# Altium PCB PCB1.PcbDoc
Units mil, origin at the board's own origin, x right, y up, seen from the top; angles counter-clockwise.
Board outline 6000 x 4000 mil, 4 copper layers (Component Side, Ground Plane, Power Plane, Solder Side), stack 25.634 mil thick; 112 components, 130 nets, 462 pads, 16 vias.
Unrouted connection lines stored in the file: 275.
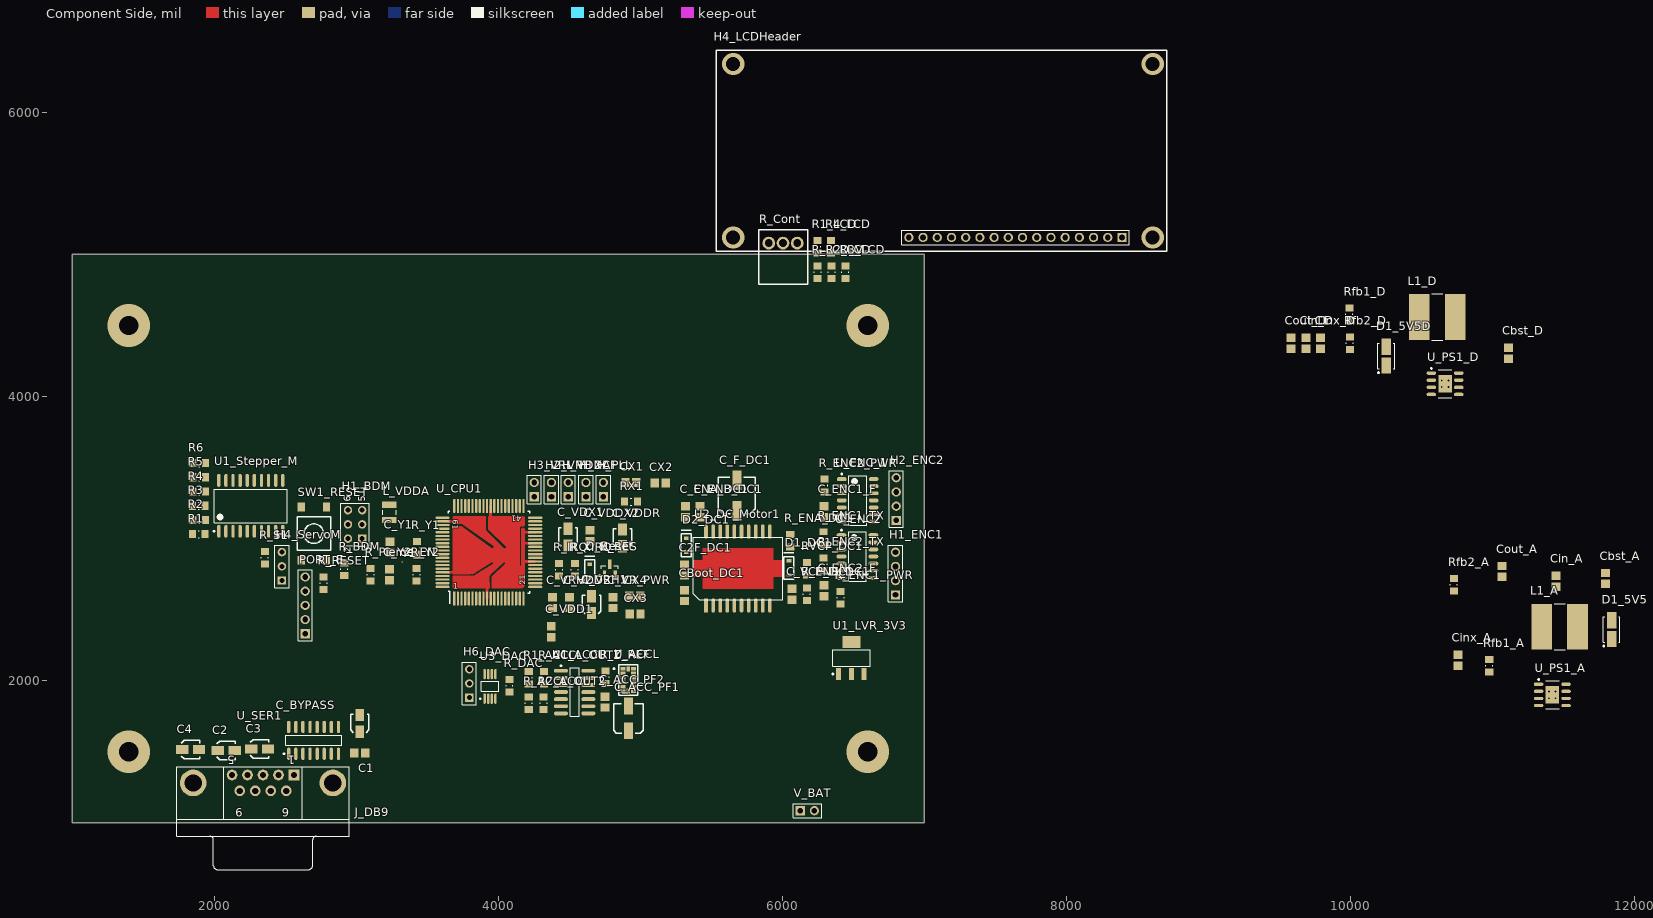
[diagram p0: Component Side view]
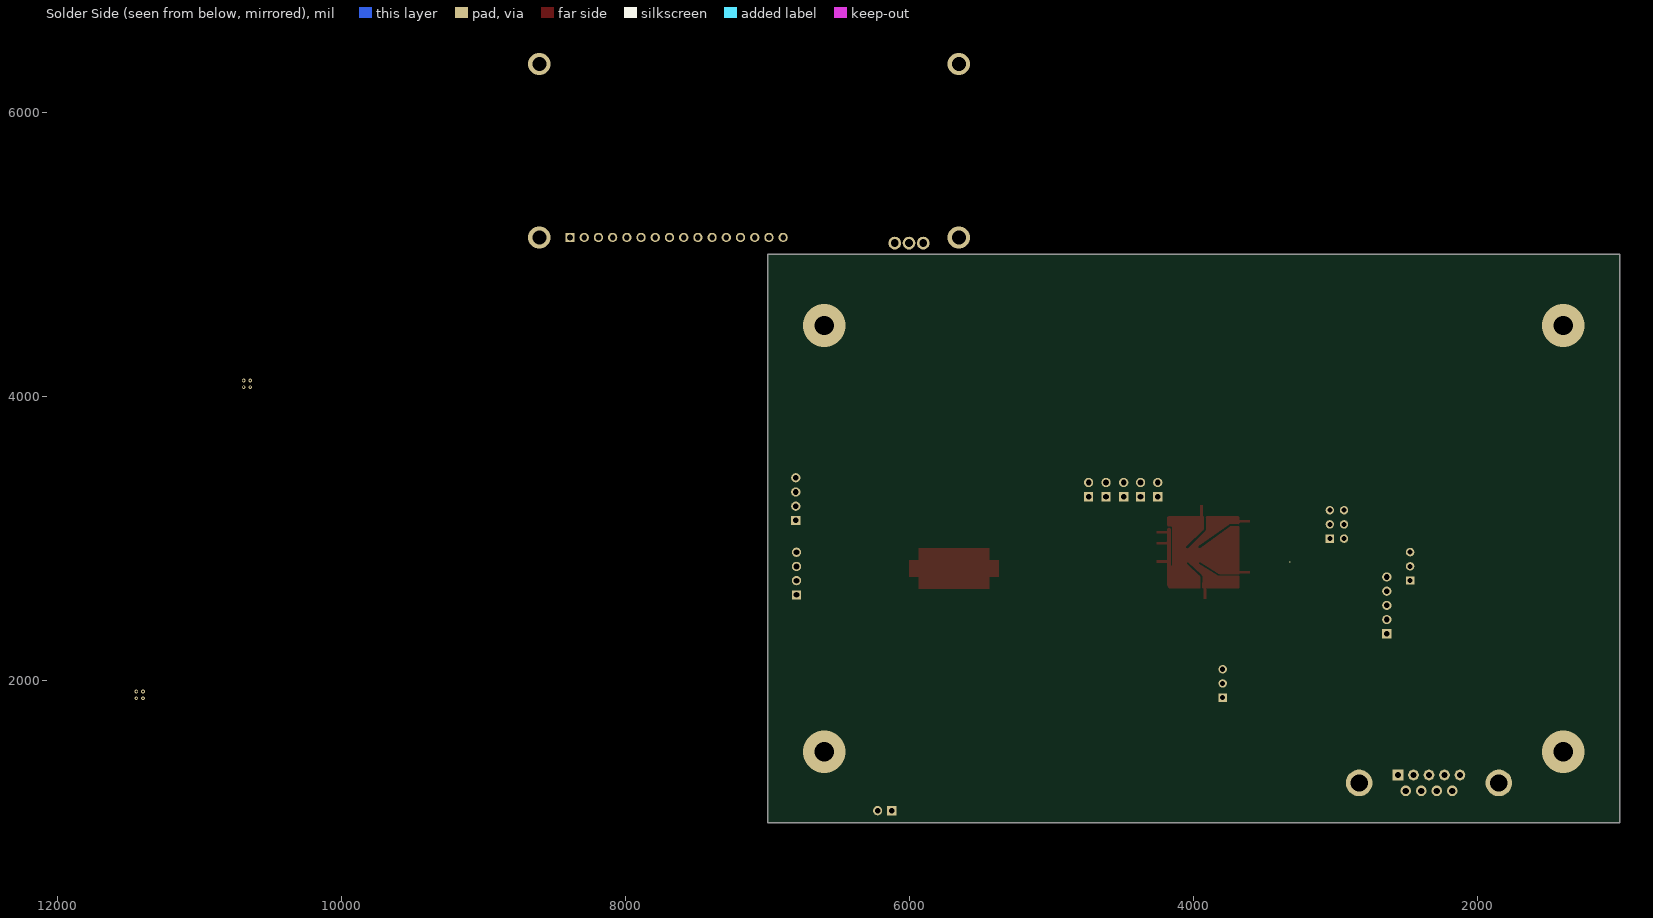
[diagram p1: Solder Side view, seen from below]
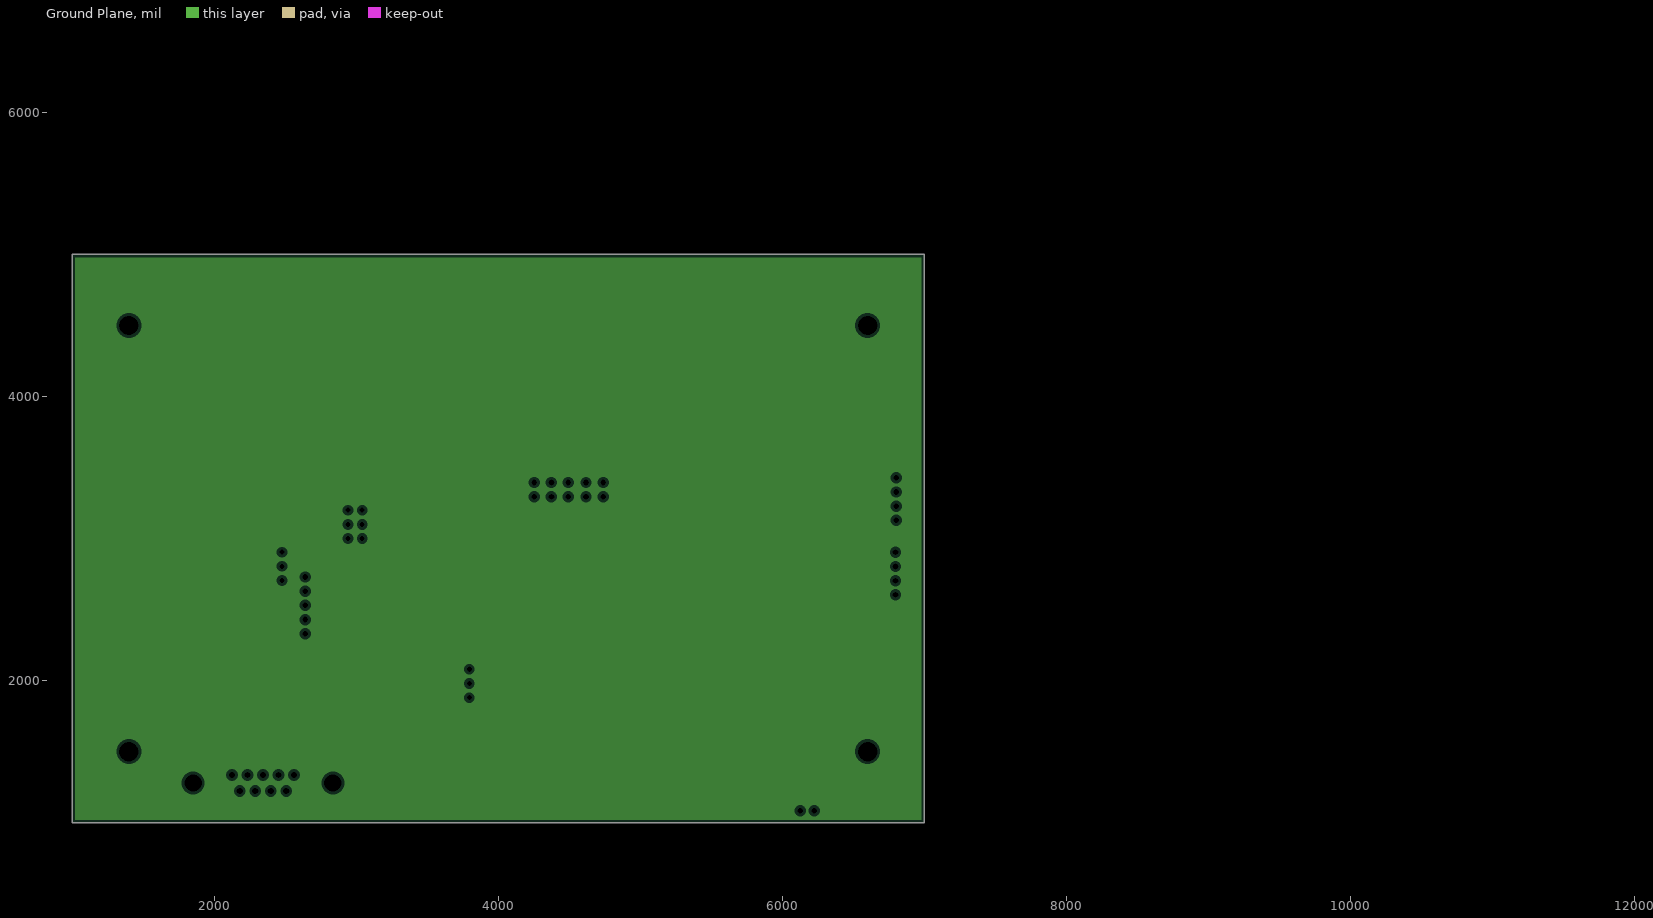
[diagram p2: Ground Plane, clearances drawn from the general rule]
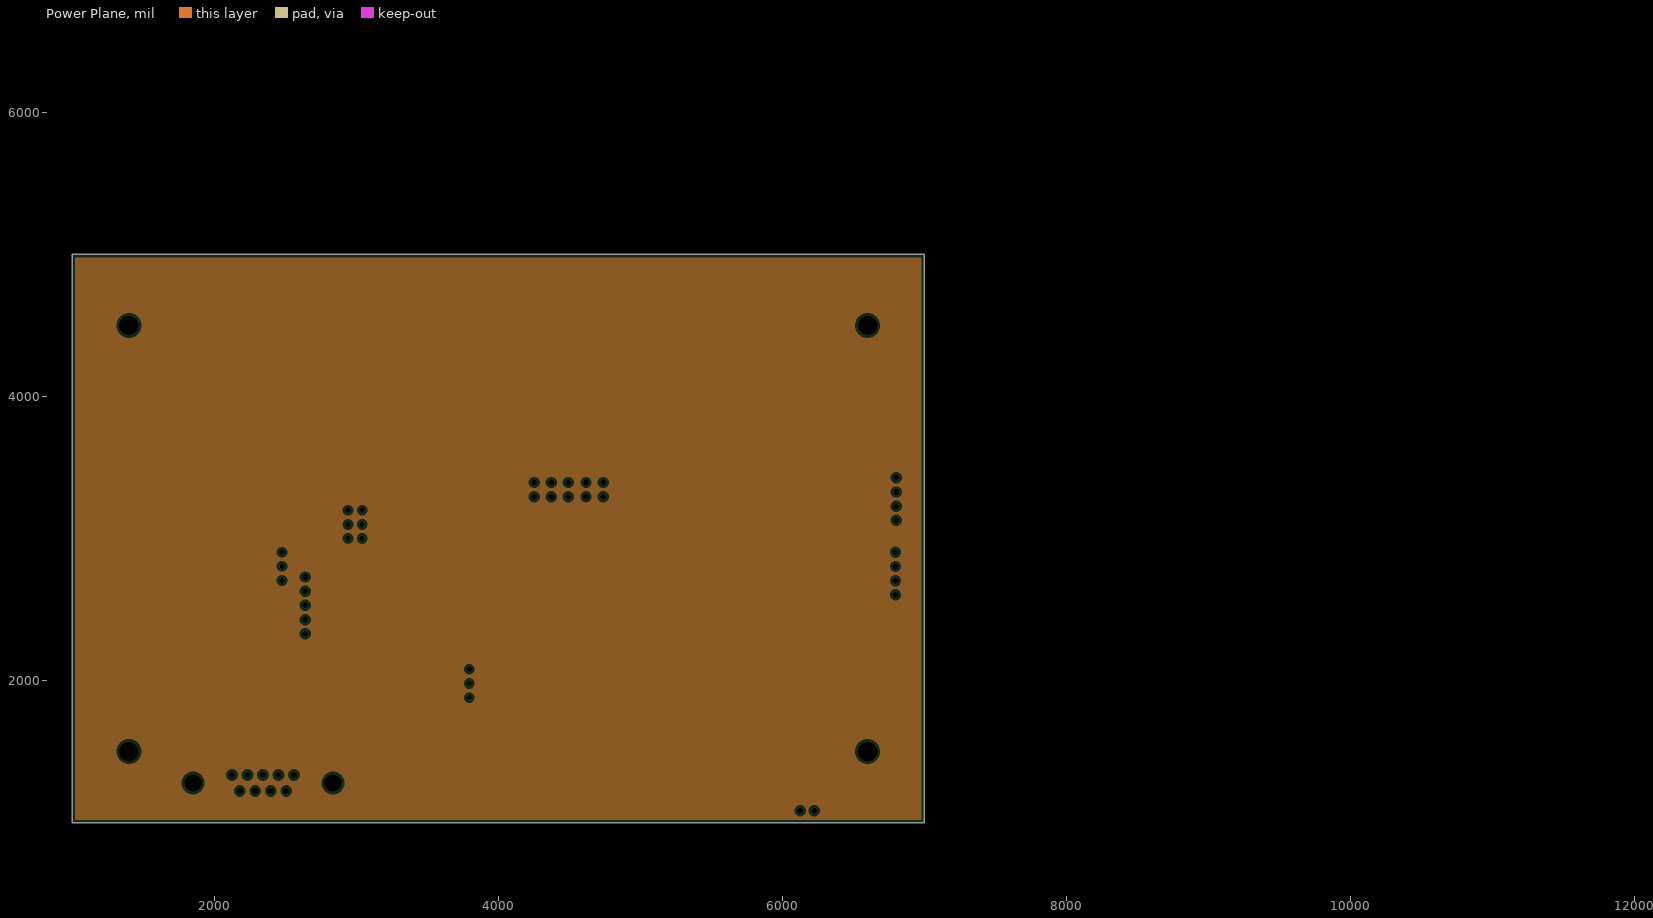
[diagram p3: Power Plane, clearances drawn from the general rule]

## Layer stack, top to bottom
Top Solder: solder mask 0.4, Solder Resist, Dk 3.5
Component Side: signal copper 1.4
Dielectric 1: prepreg 5, FR-4, Dk 4.2
Ground Plane: plane copper 1.417
Dielectric 3: core 10, Dk 4.2
Power Plane: plane copper 1.417
Dielectric 4: prepreg 5, Dk 4.2
Solder Side: signal copper 1.4
Bottom Solder: solder mask 0.4, Solder Resist, Dk 3.5

## Board outline
1000,1000 7000,1000 7000,5000 1000,5000

## Design rules (kind name [scope] priority, off if disabled: settings)
Clearance [All] p1: gap=7.5
PlaneClearance [All] p1: clearance=20
PlaneConnect [All] p1: planeconnectstyle=Relief reliefexpansion=20 reliefentries=4 reliefconductorwidth=10 reliefairgap=10
PolygonConnect [All] p1: connectstyle=Relief reliefconductorwidth=10 reliefentries=4 polygonreliefangle="90 Angle" airgapwidth=10
RoomDefinition StepperMotor [InComponentClass('StepperMotor')] p1: confinementstyle=ConfineIn formatcopy=TRUE lockcomponents=FALSE outline 1792,2971.73 2538,2971.73 2538,3595.87 1792,3595.87
RoomDefinition SMPS_5V_Digital [InComponentClass('SMPS_5V_Digital')] p2: confinementstyle=ConfineIn formatcopy=TRUE lockcomponents=FALSE outline 9522,3690 11468,3690 11468,4865 9522,4865
RoomDefinition SMPS_5V_Analog [InComponentClass('SMPS_5V_Analog')] p3: confinementstyle=ConfineIn formatcopy=TRUE lockcomponents=FALSE outline 10606,1760 12274,1760 12274,2905 10606,2905
RoomDefinition ServoMotor [InComponentClass('ServoMotor')] p4: confinementstyle=ConfineIn formatcopy=TRUE lockcomponents=FALSE outline 2284,2635 2543,2635 2543,2965 2284,2965
RoomDefinition "Searial Comm" [InComponentClass('Searial Comm')] p5: confinementstyle=ConfineIn formatcopy=TRUE lockcomponents=FALSE outline 1695,625 3290,625 3290,1910 1695,1910
RoomDefinition LCDDisplay [InComponentClass('LCDDisplay')] p6: confinementstyle=ConfineIn formatcopy=TRUE lockcomponents=FALSE outline 5500,4755 8842,4755 8842,6665 5500,6665
RoomDefinition Hierarchical_Design [InComponentClass('Hierarchical_Design')] p7: confinementstyle=ConfineIn formatcopy=TRUE lockcomponents=FALSE outline 6065,1025 6380,1025 6380,1250 6065,1250
RoomDefinition DCMotorsEncoder [InComponentClass('DCMotorsEncoder')] p8: confinementstyle=ConfineIn formatcopy=TRUE lockcomponents=FALSE outline 6229,2484.15 6900,2484.15 6900,3598.44 6229,3598.44
RoomDefinition DCMotors [InComponentClass('DCMotors')] p9: confinementstyle=ConfineIn formatcopy=TRUE lockcomponents=FALSE outline 5249,2434.15 6229,2434.15 6229,3598.44 5249,3598.44
RoomDefinition DAC [InComponentClass('DAC')] p10: confinementstyle=ConfineIn formatcopy=TRUE lockcomponents=FALSE outline 3720,1790 4141,1790 4141,2220 3720,2220
RoomDefinition CPU [InComponentClass('CPU')] p11: confinementstyle=ConfineIn formatcopy=TRUE lockcomponents=FALSE outline 2540,2230.19 5250,2230.19 5250,3590.19 2540,3590.19
RoomDefinition ACCEL [InComponentClass('ACCEL')] p12: confinementstyle=ConfineIn formatcopy=TRUE lockcomponents=FALSE outline 4145.54,1490 5075.54,1490 5075.54,2225 4145.54,2225
RoomDefinition 3V3_PS [InComponentClass('3V3_PS')] p13: confinementstyle=ConfineIn formatcopy=TRUE lockcomponents=FALSE outline 6340,1995 6951,1995 6951,2450 6340,2450
RoutingVias [All] p1: holewidth=28 width=50 viastyle="Through Hole" minholewidth=28 minwidth=50 maxholewidth=28 maxwidth=50
SolderMaskExpansion [All] p1: expansion=4
Width [All] p1: maxlimit=100 minlimit=10 preferedwidth=10
28 further rules are at their usual default settings.

## Classes and differential pairs
component class StepperMotor: R1 R2 R3 R4 R5 R6 U1_Stepper_M
component class SMPS_5V_Digital: Cbst_D Cin_D Cinx_D Cout_D D1_5V5D L1_D Rfb1_D Rfb2_D U_PS1_D
component class SMPS_5V_Analog: Cbst_A Cin_A Cinx_A Cout_A D1_5V5A L1_A Rfb1_A Rfb2_A U_PS1_A
component class ServoMotor: H4_ServoM R_S1
component class "Searial Comm": C1 C2 C3 C4 C_BYPASS J_DB9 U_SER1
component class LCDDisplay: H4_LCDHeader R1_LCD R2_LCD R3_LCD R4_LCD R_Cont R_LCD_V
component class Hierarchical_Design: V_BAT
component class DCMotors: C2F_DC1 C_ENA_DC1 C_ENB_DC1 C_F_DC1 C_VCP_DC1 CBoot_DC1 D1_DC1 D2_DC1 R_ENA_DC1 R_ENB_DC1 RVCP_DC1 U2_DC_Motor1
component class DCMotorsEncoder: C_ENC1_F C_ENC2_F H1_ENC1 H2_ENC2 R_ENC1_PWR R_ENC1_TX R_ENC2_PWR R_ENC2_TX U_ENC2 U_ENC_1
component class DAC: H6_DAC R_DAC U3_DAC
component class CPU: C_VDD1 C_VDD2 C_VDDR C_VDDX2 C_VDX1 C_VR_PWR C_VRH1 C_VRH2 C_Y1 C_Y2 CX1 CX2 CX3 CX4 D_Reset H1_BDM H2_VRH H3_VRL H_PLL H_VDDA H_XCF L_VDDA PORT_E R_BDM R_IRQ R_Pierce_EN R_RESET R_XIRQ R_Y1 R_Y2 RX1 SW1_RESET U_CPU1 U_RES Y1
component class ACCEL: C_ACC_PF1 C_ACC_PF2 D1_2V5_REF R1_ACCL R2_ACCL R_ACCL_OUT1 R_ACCL_OUT2 R_Z_REF U1_ACCL U_ACCL
component class 3V3_PS: C_in_LVR_5VD Cout_LVR3V3 U1_LVR_3V3

## Components (designator, comment, footprint, x,y, rotation, side; value= is the part's Value field where it differs from the comment)
C1 "Cap" CAPC2012X09M 3025,1490 r0 top
C2 "Cap Pol" CAPACITOR_3MM 2085,1510 r0 top
C2F_DC1 "Cap" CAPC2012X09M 5312,2779.15 r90 top
C3 "Cap Pol" CAPACITOR_3MM 2320,1520 r0 top
C4 "Cap Pol" CAPACITOR_3MM 1835,1515 r0 top
C_ACC_PF1 "Cap Pol" CAPACITOR_5MM 4915.54,1735 r90 top
C_ACC_PF2 "Cap" CAPC2012X09M 4752.54,1850 r90 top
C_BYPASS "Cap Pol" CAPACITOR_3MM 3025,1700 r90 top
C_ENA_DC1 "Cap" CAPC2012X09M 5319,3189.15 r90 top
C_ENB_DC1 "Cap" CAPC2012X09M 5419,3189.15 r90 top
C_ENC1_F "Cap" CAPC2012X09M 6292,3189.15 r90 top
C_ENC2_F "Cap" CAPC2012X09M 6292,2634.15 r90 top
C_F_DC1 "Cap Pol" CAPACITOR_6.3MM 5680,3303.44 r90 top
C_VCP_DC1 "Cap" CAPC2012X09M 6068,2609.15 r90 top
C_VDD1 "Cap" CAPC2012X09M 4373,2345.19 r90 top
C_VDD2 "Cap" CAPC2012X09M 4501,2550.19 r90 top
C_VDDR "Cap Pol" CAPACITOR_3MM 4875,3005.19 r90 top
C_VDDX2 "Cap" CAPC2012X09M 4645,3020.19 r90 top
C_VDX1 "Cap Pol" CAPACITOR_3MM 4490,3010.19 r90 top
C_VR_PWR "Cap" CAPC2012X09M 4809,2550.19 r90 top
C_VRH1 "Cap Pol" CAPACITOR_3MM 4657,2535.19 r90 top
C_VRH2 "Cap" CAPC2012X09M 4381,2550.19 r90 top
C_Y1 "Cap" CAPC2012X09M 3238,2940.19 r90 top
C_Y2 "Cap" CAPC2012X09M 3233,2745.19 r90 top
CBoot_DC1 "Cap" CAPC2012X09M 5312,2599.15 r90 top
Cbst_A "Cap" CAPC2012X09M 11794,2720 r90 top
Cbst_D "Cap" CAPC2012X09M 11110,4305 r90 top
Cin_A "Cap" CAPC2012X09M 11446,2700 r90 top
Cin_D "Cap" CAPC2012X09M 9684,4375 r90 top
Cinx_A "Cap" CAPC2012X09M 10754,2145 r90 top
Cinx_D "Cap" CAPC2012X09M 9788,4375 r90 top
Cout_A "Cap" CAPC2012X09M 11066,2769.29 r90 top
Cout_D "Cap" CAPC2012X09M 9579,4375 r90 top
CX1 "Cap" CAPC2012X09M 4934,3395.19 r0 top
CX2 "Cap" CAPC2012X09M 5141,3390.19 r0 top
CX3 "Cap" CAPC2012X09M 4963,2470.19 r0 top
CX4 "Cap" CAPC2012X09M 4961,2595.19 r0 top
D1_5V5A "DIODE SCHOTTKY 40V 2A SMA" DIOM4326X23M 11836,2360 r90 top
D1_5V5D "DIODE SCHOTTKY 40V 2A SMA" DIOM4326X23M 10251,4285 r90 top
D1_DC1 "Diode 1N4148" zener_sod323 6046,2794.15 r90 top
D2_DC1 "Diode 1N4148" zener_sod323 5323,2954.15 r90 top
D_Reset "Diode 1N4148" zener_sod323 4644,2770.19 r90 top
H1_BDM "Header 3X2" HDR2X3 3042,3000.19 r90 top
H1_ENC1 "Header 4" HDR1X4 6796,2604.15 r90 top
H2_ENC2 "Header 5" HDR1X4 6801,3128.44 r90 top
H2_VRH "Header 2" HDR1X2 4374,3295.19 r90 top
H3_VRL "Header 2" HDR1X2 4253,3295.19 r90 top
H4_LCDHeader "Header16_LCD" HDR1X16_LCD 8390,5120 r180 top
H4_ServoM "Header 3" HDR1X3 2477,2705 r90 top
H6_DAC "Header 3" HDR1X3 3796,1880.71 r90 top
H_PLL "Header 2" HDR1X2 4740,3295.19 r90 top
H_VDDA "Header 2" HDR1X2 4493,3295.19 r90 top
H_XCF "Header 2" HDR1X2 4617,3295.19 r90 top
J_DB9 "D Connector 9" DSUB1.385-2H9 2344.13,906.42 r180 top
L1_A "SRN8040" INDP8080X40M 11471,2380 r0 top
L1_D "SRN8040" INDP8080X40M 10609,4560 r0 top
L_VDDA "INDUCTOR" C1210 3233,3185.19 r90 top
PORT_E "Header 5" HDR1X5 2641,2330.19 r90 top
R1 "Res3" RESC2112X05M 1893,3031.73 r0 top
R1_ACCL "Res3" RESC2112X05M 4214.54,2020 r90 top
R1_LCD "Res3" RESC2112X05M 6246,5055 r90 top
R2 "Res3" RESC2112X05M 1894,3131.73 r0 top
R2_ACCL "Res3" RESC2112X05M 4319.54,1840 r90 top
R2_LCD "Res3" RESC2112X05M 6346,4875 r90 top
R3 "Res3" RESC2112X05M 1893,3231.73 r0 top
R3_LCD "Res3" RESC2112X05M 6443,4875 r90 top
R4 "Res3" RESC2112X05M 1894,3331.73 r0 top
R4_LCD "Res3" RESC2112X05M 6343,5055 r90 top
R5 "Res3" RESC2112X05M 1895,3431.73 r0 top
R6 "Res3" RESC2112X05M 1896,3531.73 r0 top
R_ACCL_OUT1 "Res3" RESC2112X05M 4320.54,2020 r90 top
R_ACCL_OUT2 "Res3" RESC2112X05M 4214.54,1840 r90 top
R_BDM "Res3" RESC2112X05M 2916,2785.19 r90 top
R_Cont "RPot" BOURNS_3386F 5904,5080 r0 top
R_DAC "Res3" RESC2112X05M 4079,1965.71 r90 top
R_ENA_DC1 "Res3" RESC2112X05M 6055,2984.15 r90 top
R_ENB_DC1 "Res3" RESC2112X05M 6172,2609.15 r90 top
R_ENC1_PWR "Res3" RESC2112X05M 6410,2584.15 r90 top
R_ENC1_TX "Res3" RESC2112X05M 6290,3004.15 r90 top
R_ENC2_PWR "Res3" RESC2112X05M 6296,3374.15 r90 top
R_ENC2_TX "Res3" RESC2112X05M 6290,2819.15 r90 top
R_IRQ "Res3" RESC2112X05M 4428,2780.19 r90 top
R_LCD_V "Res3" RESC2112X05M 6247,4875 r90 top
R_Pierce_EN "Res3" RESC2112X05M 3102,2745.19 r90 top
R_RESET "Res3" RESC2112X05M 2771,2685.19 r90 top
R_S1 "Res3" RESC2112X05M 2358,2865 r90 top
R_XIRQ "Res3" RESC2112X05M 4540,2780.19 r90 top
R_Y1 "Res3" RESC2112X05M 3427,2935.19 r90 top
R_Y2 "Res3" RESC2112X05M 3425,2745.19 r90 top
R_Z_REF "Res3" RESC2112X05M 4755.54,2025 r90 top
Rfb1_A "Res3" RESC2112X05M 10975,2105 r90 top
Rfb1_D "Res3" RESC2112X05M 9991,4580 r90 top
Rfb2_A "Res3" RESC2112X05M 10726,2675 r90 top
Rfb2_D "Res3" RESC2112X05M 9994,4374.29 r90 top
RVCP_DC1 "Res3" RESC2112X05M 6172,2789.15 r90 top
RX1 "Res3" RESC2112X05M 4934,3260.19 r0 top
SW1_RESET "SWITCH_TACTILE" TACT_SWITCH_6MM_SMT 2702,3035.19 r90 top
U1_ACCL "LMC6484_0" SOIC127P600X175-14M-NS 4537.54,1920 r0 top
U1_LVR_3V3 "LM1117IMP-ADJ/NOPB" MP04A_L 6485,2160 r90 top
U1_Stepper_M "L293DD" SO20_N 2258,3230.87 r90 top
U2_DC_Motor1 "L6225" POWERSOP20 5462,2529.15 r0 top
U3_DAC "IC DAC 8BIT DUAL VOUT 8-UMAX" TSOP65P490X110-8M 3942,1960 r90 top
U_ACCL "LIS352ARTR" LGA-14-3X5MM 4914.54,2005 r90 top
U_CPU1 "MC9S12C128MFUE" QUAD.65M/80/WG17.45-HCS12 3690.6,2577.6 r0 top
U_ENC2 "74ACT14_3" SOIC127P600X175-14M 6528,2874.15 r0 top
U_ENC_1 "74ACT14_3" SOIC127P600X175-14M 6530,3269.15 r0 top
U_PS1_A "LM22675MR-ADJ/NOPB" MRA08B_L 11419,1900 r0 top
U_PS1_D "LM22675MR-ADJ/NOPB" MRA08B_L 10664,4090 r0 top
U_RES "DS1813-10" SOT95P230X110-3M 4785,2780.19 r90 top
U_SER1 "MAX3232CSE" NSO16_N 2700,1580 r90 top
V_BAT "Header 2" HDR1X2 6125,1085 r0 top
Y1 "ECS-160-20-5P" PCBComponent_1 3317,2835.19 r0 top

## Footprints (in the part's own frame and the unit in brackets; to place one, negate y for a bottom-side part, rotate by r counter-clockwise, add the part's x,y. Pads: shape width x height; smd on the part's side, far side on the other; paste and mask are expansions set on the pad)
BOURNS_3386F [mil] "Top Adjust Trimpot"
  round 90 hole 55: 1(0,0) 2(100,0) 3(200,0)
  silkscreen extent -72,-290 275,95, body extent -74,-286 276,89, height 150
C1210 [mm] "Chip Capacitor, Body 3.2x2.5mm, IPC High Density"
  rect 1.1x2.6 smd: 1(-1.35,0) 2(1.35,0)
  silkscreen extent -0.4,-1.2 0.4,1.2, body extent -1.7,-1.35 1.7,1.35, height 1.3
CAPACITOR_3MM [mm]
  rect 2.2x1.6 smd: 1(-1.5,0) 2(1.5,0)
  silkscreen extent -1.65,-1.65 1.65,1.65, body extent -2.6,-2.15 2.6,2.15, height 6.15
CAPACITOR_5MM [mm]
  rect 3x1.6 smd: 1(-2.2,0) 2(2.2,0)
  silkscreen extent -2.65,-2.65 2.65,2.65, body extent -3.1,-2.65 3.1,2.65, height 6.15
CAPACITOR_6.3MM [mm]
  rect 3.5x1.6 smd: 1(-2.7,0) 2(2.7,0)
  silkscreen extent -3.3,-3.3 3.3,3.3, body extent -3.8,-3.3 3.8,3.3, height 8.1
CAPC2012X09M [mm] "Chip Capacitor, 2-Leads, Body 2.00x1.25mm, IPC Low Density"
  rect 1.5x1.6 smd: 1(-0.975,0) 2(0.975,0)
  body extent -1.1,-0.72 1.1,0.72, height 0.88
DIOM4326X23M [mm] "Molded Diode, 2-Leads, Body 4.30x2.60mm, IPC Low Density"
  rect 2.9x1.7 smd: 1(-1.675,0) 2(1.675,0)
  silkscreen extent -3.07,-1.5 2.3,1.52, body extent -2.74,-1.4 2.74,1.4, height 2.36
DSUB1.385-2H9 [mm] "Connector; D Subminiature; 9 Position; Right Angle; Pitch 1.385 mm"
  rect 1.905x1.905 hole 1.09: 1(-5.54,-10.92)
  round 1.905 hole 1.09: 2(-2.77,-10.92) 3(0,-10.92) 4(2.77,-10.92) 5(5.54,-10.92) 6(-4.155,-8.08) 7(-1.385,-8.08) 8(1.385,-8.08) 9(4.155,-8.08)
  round 4.76 hole 3.1: 10(-12.495,-9.5) 11(12.495,-9.5)
  silkscreen extent -15.4,-12.4 15.4,6, body extent -15.49,-12.69 15.32,5.61, height 12.88
HDR1X2 [mil] "Connector; Header; 4 Position"
  rect 65x65 hole 40: 1(0,0)
  round 65 hole 40: 2(100,0)
  silkscreen extent -50,-50 151,50, body extent -46,-50 154,48, height 370
HDR1X3 [mm] "Connector; Header; 3 Position"
  rect 1.5x1.5 hole 0.9: 1(0,0)
  round 1.5 hole 0.9: 2(2.54,0) 3(5.08,0)
  silkscreen extent -1.27,-1.27 6.35,1.27
HDR1X4 [mil] "Connector; Header; 4 Position"
  rect 65x65 hole 40: 1(0,0)
  round 65 hole 40: 2(100,0) 3(200,0) 4(300,0)
  silkscreen extent -50,-50 350,50, body extent -47,-48 353,50, height 370
HDR1X5 [mil] "Connector; Header; 5 Position"
  rect 65x65 hole 40: 1(0,0)
  round 65 hole 40: 2(100,0) 3(200,0) 4(300,0) 5(400,0)
  silkscreen extent -50,-50 450,50, body extent -45,-49 455,49, height 370
HDR1X16_LCD [mil] "Connector; Header; 16 Position, For LCD"
  rect 65x65 hole 40: 1(0,0)
  round 65 hole 40: 2(100,0) 3(200,0) 4(300,0) 5(400,0) 6(500,0) 7(600,0) 8(700,0) 9(800,0) 10(900,0) 11(1000,0) 12(1100,0) 13(1200,0) 14(1300,0) 15(1400,0) 16(1500,0)
  silkscreen extent -315,-1319 2854,98, body extent -399,-1344 2885,181, height 800
HDR2X3 [mm] "Connector; Header; 3x2 Position"
  rect 1.5x1.5 hole 0.9: 1(0,0)
  round 1.5 hole 0.9: 2(0,2.54) 3(2.54,0) 4(2.54,2.54) 5(5.08,0) 6(5.08,2.54)
  silkscreen extent -1.27,-1.27 6.35,3.81
INDP8080X40M [mm] "Precision Wire Wound Inductor, 2-Leads, Body 8.00x8.00mm, IPC Low Density"
  rect 3.7x8.2 smd: 1(-3.2,0) 2(3.2,0)
  silkscreen extent -0.95,-4.15 0.95,4.15, body extent -4,-4 4,4, height 4
LGA-14-3X5MM [mm]
  rect 0.6x0.9 smd: 1(2,0.95) 2(1.2,0.95) 3(0.4,0.95) 4(-0.4,0.95) 5(-1.2,0.95) 6(-2,0.95) 8(-2,-0.95) 9(-1.2,-0.95) 10(-0.4,-0.95) 11(0.4,-0.95) 12(1.2,-0.95) 13(2,-0.95)
  rect 0.9x0.6 smd: 7(-2,0) 14(2,0)
  silkscreen extent -2.7,-1.7 2.7,2.67, body extent -2.54,-1.52 2.54,1.52, height 1
MP04A_L [mm] "SOT223, 4-Leads, Body 6.5x3.5mm, Pitch 2.3mm, Lead Span 7mm, IPC High Density"
  rect 2.1x0.9 smd: 1(-2.85,2.3) 2(-2.85,0) 3(-2.85,-2.3)
  rect 2.1x3.2 smd: 4(2.85,0)
  silkscreen extent -2.97,-3.35 1.5,3.42, body extent -1.85,-3.35 1.85,3.35, height 1.8
MRA08B_L [mm] "SOIC, 8-Leads, Body 4.9x3.9mm, Pitch 1.27mm, Exposed Pad, IPC High Density"
  oval 1.7x0.6 smd: 1(-2.45,1.905) 2(-2.45,0.635) 3(-2.45,-0.635) 4(-2.45,-1.905) 5(2.45,-1.905) 6(2.45,-0.635) 7(2.45,0.635) 8(2.45,1.905)
  rect 2.41x3.1 smd: 9(0,0)
  silkscreen extent -2.57,-2.5 1.2,2.88, body extent -2,-2.5 2,2.5, height 1.68
NSO16_N [mm] "SOIC, 16-Leads, Body 9.9x3.9mm, Pitch 1.27mm, IPC Medium Density"
  oval 2.2x0.6 smd: 1(-2.4,4.445) 2(-2.4,3.175) 3(-2.4,1.905) 4(-2.4,0.635) 5(-2.4,-0.635) 6(-2.4,-1.905) 7(-2.4,-3.175) 8(-2.4,-4.445) 9(2.4,-4.445) 10(2.4,-3.175) 11(2.4,-1.905) 12(2.4,-0.635) 13(2.4,0.635) 14(2.4,1.905) 15(2.4,3.175) 16(2.4,4.445)
  silkscreen extent -2.52,-5 0.9,5.42, body extent -3.1,-5 3.1,5, height 1.75
PCBComponent_1 [mil]
  rect 5.5x2 all layers, no hole: 0(0,0) 1(9.5,0)
POWERSOP20 [mil]
  rect 25x100 smd: 1(0,0)
  oval 25x100 smd: 2(50,0) 3(100,0) 4(150,0) 5(200,0) 6(250,0) 7(300,0) 8(350,0) 9(400,0) 10(450,0) 11(450,520.85) 12(400,520.85) 13(350,520.85) 14(300,520.85) 15(250,520.85) 16(200,520.85) 17(150,520.85) 18(100,520.85) 19(50,520.85) 20(0,520.85)
  Component Side region: 473.38,402.53 473.54,402.15 473.54,318.06 539.95,318.06 540.33,317.9 540.49,317.52 540.49,203.33 540.33,202.95 539.95,202.79 473.54,202.79 473.54,118.7 473.38,118.32 473,118.16 -23.03,118.16 -23.42,118.32 -23.57,118.7 -23.57,202.79 -89.95,202.79 -90.33,202.95 -90.49,203.33 -90.49,317.52 -90.33,317.9 -89.95,318.06 -23.57,318.06 -23.57,402.15 -23.42,402.53 -23.03,402.69 473,402.69
  silkscreen extent -90,41 540,480, body extent -90,-21 540,541, height 128
QUAD.65M/80/WG17.45-HCS12 [mil]
  rect 16x100 smd: 1(0,0) 10(230.4,0) 50(256,652.4)
  oval 16x100 smd: 2(25.6,0) 3(51.2,0) 4(76.8,0) 5(102.4,0) 6(128,0) 7(153.6,0) 8(179.2,0) 9(204.8,0) 11(256,0) 12(281.6,0) 13(307.2,0) 14(332.8,0) 15(358.4,0) 16(384,0) 17(409.6,0) 18(435.2,0) 19(460.8,0) 20(486.4,0) 41(486.4,652.4) 42(460.8,652.4) 43(435.2,652.4) 44(409.6,652.4) 45(384,652.4) 46(358.4,652.4) 47(332.8,652.4) 48(307.2,652.4) 49(281.6,652.4) 51(230.4,652.4) 52(204.8,652.4) 53(179.2,652.4) 54(153.6,652.4) 55(128,652.4) 56(102.4,652.4) 57(76.8,652.4) 58(51.2,652.4) 59(25.6,652.4) 60(0,652.4)
  oval 100x16 smd: 21(569.4,83) 22(569.4,108.6) 23(569.4,134.2) 24(569.4,159.8) 25(569.4,185.4) 26(569.4,211) 27(569.4,236.6) 28(569.4,262.2) 29(569.4,287.8) 31(569.4,339) 32(569.4,364.6) 33(569.4,390.2) 34(569.4,415.8) 35(569.4,441.4) 36(569.4,467) 37(569.4,492.6) 38(569.4,518.2) 39(569.4,543.8) 40(569.4,569.4) 61(-83,569.4) 62(-83,543.8) 63(-83,518.2) 64(-83,492.6) 65(-83,467) 66(-83,441.4) 67(-83,415.8) 68(-83,390.2) 69(-83,364.6) 71(-83,313.4) 72(-83,287.8) 73(-83,262.2) 74(-83,236.6) 75(-83,211) 76(-83,185.4) 77(-83,159.8) 78(-83,134.2) 79(-83,108.6) 80(-83,83)
  rect 100x16 smd: 30(569.4,313.4) 70(-83,339)
  Component Side region: 603 vertices and 0 holes, not listed, extent -84.54,-0.54 570.54,656.54
  silkscreen extent -44,-36 531,614, body extent -71,10 561,641, height 53
RESC2112X05M [mm] "Chip Resistor, 2-Leads, Body 2.05x1.25mm, IPC Low Density"
  rect 1.25x1.45 smd: 1(-1.125,0) 2(1.125,0)
  silkscreen extent -0.1,-0.63 0.1,0.63, body extent -1.1,-0.7 1.1,0.7, height 0.5
SO20_N [mm] "SOIC, 20-Leads, Body 12.8x7.5mm, Pitch 1.27mm, IPC Medium Density"
  oval 2.3x0.6 smd: 1(-4.55,5.715) 2(-4.55,4.445) 3(-4.55,3.175) 4(-4.55,1.905) 5(-4.55,0.635) 6(-4.55,-0.635) 7(-4.55,-1.905) 8(-4.55,-3.175) 9(-4.55,-4.445) 10(-4.55,-5.715) 11(4.55,-5.715) 12(4.55,-4.445) 13(4.55,-3.175) 14(4.55,-1.905) 15(4.55,-0.635) 16(4.55,0.635) 17(4.55,1.905) 18(4.55,3.175) 19(4.55,4.445) 20(4.55,5.715)
  silkscreen extent -4.67,-6.5 3,6.69, body extent -5.04,-6.52 5.15,6.82, height 2.67
SOIC127P600X175-14M [mm] "SOIC, 14-Leads, Body 8.65x3.90mm, Pitch 1.27mm, IPC Low Density"
  oval 1.75x0.7 smd: 1(-2.85,3.81) 2(-2.85,2.54) 3(-2.85,1.27) 4(-2.85,0) 5(-2.85,-1.27) 6(-2.85,-2.54) 7(-2.85,-3.81) 8(2.85,-3.81) 9(2.85,-2.54) 10(2.85,-1.27) 11(2.85,0) 12(2.85,1.27) 13(2.85,2.54) 14(2.85,3.81)
  silkscreen extent -2.97,-4.4 1.58,4.83, body extent -3,-4.37 3,4.38, height 1.83
SOIC127P600X175-14M-NS [mm] "SOIC, 14-Leads, Body 8.62x3.90mm, Pitch 1.27mm, IPC Low Density"
  oval 2.5x0.7 smd: 1(-2.45,3.81) 2(-2.45,2.54) 3(-2.45,1.27) 4(-2.45,0) 5(-2.45,-1.27) 6(-2.45,-2.54) 7(-2.45,-3.81) 8(2.45,-3.81) 9(2.45,-2.54) 10(2.45,-1.27) 11(2.45,0) 12(2.45,1.27) 13(2.45,2.54) 14(2.45,3.81)
  silkscreen extent -2.57,-4.35 0.8,4.83, body extent -3.05,-4.37 2.95,4.38, height 1.83
SOT95P230X110-3M [mm] "SOT23, 3-Leads, Body 2.90x2.30mm, Pitch 0.95mm, IPC Low Density"
  rect 1.7x0.6 smd: 1(-1,0.95) 2(-1,-0.95) 3(1,0)
  silkscreen extent -1.12,-1.5 0.7,1.92, body extent -0.7,-1.5 0.7,1.5, height 1.1
TACT_SWITCH_6MM_SMT [mm]
  rect 1.55x1.3 smd: 1(-4.75,2.25) 2(4.75,2.25) 3(-4.75,-2.25) 4(4.75,-2.25)
  silkscreen extent -3,-3 3,3, body extent -5,-3.05 5,2.95, height 5.07
TSOP65P490X110-8M [mm] "TSOP, 8-Leads, Body 3.00x3.00mm, Pitch 0.65mm, IPC Low Density"
  oval 1.85x0.45 smd: 1(-2.2,0.975) 2(-2.2,0.325) 3(-2.2,-0.325) 4(-2.2,-0.975) 5(2.2,-0.975) 6(2.2,-0.325) 7(2.2,0.325) 8(2.2,0.975)
  silkscreen extent -2.32,-1.55 0.87,1.87, body extent -1.55,-1.55 1.55,1.55, height 1.1
zener_sod323 [mil]
  rect 25x33 smd: A(-49.75,0) K(49.75,0)
  silkscreen extent -80,-35 105,35, body extent -52,-25 54,24, height 43

## Part data
C1: library part CAP-X7R-47000pF-50V-±10%, "CAP CER 47000pF 50v X7R 0805"
C2 C3 C4: library part "Cap Polar-0.33uF-50V", "CAP 85C 0.33uF ±20% 50V WX Series Aluminum Electrolytic"
C2F_DC1: library part CAP-X7R-.1uF-100V-±10%, "CAP CER .1uF 100v X7R 0805"
C_ACC_PF1: library part "Cap Polar-10uF-35V", "CAP 85C 10uF ±20% 35V WX Series Aluminum Electrolytic"
C_ACC_PF2 C_VR_PWR CX3: library part CAP-X7R-.1uF-16V-±10%, "CAP CER .1uF 16v X7R 0805"
C_BYPASS: library part "Cap Polar-0.1uF-50V", "CAP 85C 0.1uF ±20% 50V WX Series Aluminum Electrolytic"
C_ENA_DC1 C_ENB_DC1: library part CAP-X7R-5600pF-50V-±10%, "CAP CER 5600pF 50v X7R 0805"
C_ENC1_F C_ENC2_F C_VDD1 C_VDD2: library part CAP-X7R-.1uF-50V-±5%, "CAP CER .1uF 50v X7R 0805"
C_F_DC1: library part "Cap Polar-100uF-16V", "CAP 85C 100uF ±20% 16V WX Series Aluminum Electrolytic"
C_VCP_DC1: library part CAP-COG-220pF-50V-±5%, "CAP CER 220pF 50v COG 0805"
C_VDDR C_VDX1 C_VRH1: library part "Cap Polar-10uF-16V", "CAP 85C 10uF ±20% 16V WX Series Aluminum Electrolytic"
C_VDDX2 C_VRH2 Cbst_A Cbst_D: library part CAP-X7R-10000pF-50V-±10%, "CAP CER 10000pF 50v X7R 0805"
C_Y1 C_Y2: library part CAP-COG-22pF-50V-±5%, "CAP CER 22pF 50v COG 0805"
CBoot_DC1 Cin_A Cin_D: library part CAP-X7R-2.2uF-16V-±10%, "CAP CER 2.2uF 16v X7R 0805"
Cinx_A Cinx_D: library part CAP-X7R-1uF-16V-±10%, "CAP CER 1uF 16v X7R 0805"
Cout_A Cout_D: library part CAP-X5R-10uF-10V-±10%, "CAP CER 10uF 10v X5R 0805"
CX1 CX2: library part CAP-X7R-4700pF-630V-±10%, "CAP CER 4700pF 630v X7R 1210"
CX4: library part CAP-COG-10000pF-50V-±5%, "CAP CER 10000pF 50v COG 1210"
D1_5V5A D1_5V5D: "Schottky Rectifier"
D1_DC1 D2_DC1 D_Reset: "High Conductance Fast Diode"
H1_BDM: "Header, 3-Pin, Dual row"
H1_ENC1: "Header, 4-Pin"
H2_ENC2: library part "Header 4", "Header, 4-Pin"
H2_VRH H3_VRL H_PLL H_VDDA H_XCF V_BAT: "Header, 2-Pin"
H4_LCDHeader: "Header, 16-Pin Female"
H4_ServoM H6_DAC: "Header, 3-Pin"
J_DB9: "Receptacle Assembly, 9 Position, Right Angle"
L1_A L1_D: "FIXED IND 33UH 1.7A 145 MOHM SMD"
PORT_E: "Header, 5-Pin"
R1 R2 R3 R4 R5 R6 R_ACCL_OUT1 R_BDM R_DAC R_RESET R_S1 R_Y1: library part Resistor_10.0K, "RES SMD 10.0K OHM 1% 1/8W 0805"
R1_ACCL R2_ACCL Rfb1_A Rfb1_D: library part Resistor_1.00K, "RES SMD 1.00K OHM 1% 1/8W 0805"
R1_LCD R2_LCD R3_LCD R4_LCD R_IRQ R_Pierce_EN R_XIRQ: library part Resistor_4.75K, "RES SMD 4.75K OHM 1% 1/8W 0805"
R_ACCL_OUT2: library part Resistor_3.09K, "RES SMD 3.09K OHM 1% 1/8W 0805"
R_Cont: "Potentiometer"
R_ENA_DC1 R_ENB_DC1 RVCP_DC1: library part Resistor_100R, "RES SMD 100R OHM 1% 1/8W 0805"
R_ENC1_PWR R_ENC2_PWR RX1: library part Resistor_5.11K, "RES SMD 5.11K OHM 1% 1/8W 0805"
R_ENC1_TX R_ENC2_TX: library part Resistor_475R, "RES SMD 475R OHM 1% 1/8W 0805"
R_LCD_V: library part Resistor_221R, "RES SMD 221R OHM 1% 1/8W 0805"
R_Y2: library part Resistor_1.02R, "RES SMD 1.02R OHM 1% 1/8W 0805"
R_Z_REF: library part Resistor_2.49K, "RES SMD 2.49K OHM 1% 1/8W 0805"
Rfb2_A Rfb2_D: library part Resistor_2.87K, "RES SMD 2.87K OHM 1% 1/8W 0805"
SW1_RESET: "SWITCH TACTILE SPST-NO 0.05A 12V"
U1_ACCL: "IC OPAMP GP 1.5MHZ RRO 14SOIC"
U1_LVR_3V3: "800mA Low-Dropout Linear Regulator, 4-pin SOT-223, Pb-Free"
U1_Stepper_M: "Push-Pull Four Channel Driver With Diode"
U2_DC_Motor1: "IC MOTOR DRIVER PAR 20POWERSO"
U3_DAC: library part Max5513-dac
U_ACCL: library part LIS352AR, "IC ACCELEROMETER 3AXIS LP 14LGA"
U_CPU1: "IC MCU 16BIT 128KB FLASH 80QFP"
U_ENC2 U_ENC_1: "IC INVERTER HEX SCHMITT 14SOIC"
U_PS1_A U_PS1_D: "1A SIMPLE SWITCHER®, Step-Down Voltage Regulator with Precision Enable, 8-pin PSOP, Pb-Free"
U_RES: "5V EconoReset with Pushbutton"
U_SER1: "3.0V TO 5.5V, Low-Power, up to 1Mbps, True RS-232 Transceiver Using Four 0.1µF External Capacitor"

## Via types
v1: diameter 25.98, hole 12.99, Component Side to Solder Side, tented top, 8 vias
v2: diameter 157.48, hole 98.43, Component Side to Solder Side, 4 vias
v3: diameter 300, hole 136, Component Side to Solder Side, 4 vias

## Nets (pads, with @x,y where several pads share a name; then routed paths per layer and width w, separated by ;. In a path a pad name is that pad's centre, name@x,y a point inside that pad or via, vN(x,y) a via of type N, cw(c..) or ccw(c..) an arc to the next point about the centre after c; other vN are vias at no path point)
GND: C2F_DC1.1 C3.2 C4.1 C_ACC_PF1.2 C_ACC_PF2.1 C_BYPASS.2 C_ENA_DC1.1 C_ENB_DC1.1 C_ENC1_F.1 C_ENC2_F.1 C_F_DC1.2 C_VDD1.1 C_VDD2.1 C_VDDR.2 C_VDDX2.1 C_VDX1.2 C_VRH1.2 C_VRH2.1 C_Y1.1 C_Y2.1 Cin_A.1 Cin_D.1 Cinx_A.1 Cinx_D.1 Cout_A.1 Cout_D.1 CX3.1 CX4.1 D1_5V5A.2 D1_5V5D.2 H1_BDM.2 H1_ENC1.3 H2_ENC2.3 H3_VRL.1 H4_LCDHeader.1 H4_LCDHeader.16 H4_ServoM.3 H_PLL.1 H_VDDA.2 H_XCF.2 J_DB9.5 R1.1 R2.1 R3.1 R4.1 R5.1 R6.1 R_Cont.3 R_Pierce_EN.1 R_S1.1 Rfb1_A.2 Rfb1_D.2 SW1_RESET.1 SW1_RESET.2 U1_ACCL.11 U1_LVR_3V3.1 U1_Stepper_M.4 U1_Stepper_M.5 U1_Stepper_M.6 U1_Stepper_M.7 U1_Stepper_M.14 U1_Stepper_M.15 U1_Stepper_M.16 U1_Stepper_M.17 U2_DC_Motor1.3 U2_DC_Motor1.5 U2_DC_Motor1.6 U2_DC_Motor1.8 U2_DC_Motor1.15 U2_DC_Motor1.16 U3_DAC.7 U_ACCL.5 U_ACCL.10 U_CPU1.10 U_CPU1.25 U_CPU1.26 U_CPU1.28 U_CPU1.33 U_CPU1.36 U_CPU1.50 U_CPU1.62 U_CPU1.76 U_ENC_1.7 U_PS1_A.6 U_PS1_A.9 U_PS1_D.6 U_PS1_D.9 U_RES.3 U_SER1.15 V_BAT.1
  other v1: 11395.38,1876.38 11442.62,1876.38 11395.38,1923.62 11442.62,1923.62 10640.38,4066.38 10687.62,4066.38 10640.38,4113.62 10687.62,4113.62
NetC1_1: C1.1 U_SER1.3
NetC1_2: C1.2 U_SER1.1
NetC2_1: C2.1 U_SER1.4
NetC2_2: C2.2 U_SER1.5
NetC2F_DC1_2: C2F_DC1.2 C_F_DC1.1 CBoot_DC1.2 Cin_A.2 Cin_D.2 Cinx_A.2 Cinx_D.2 D1_DC1.A U1_Stepper_M.10 U2_DC_Motor1.14 U2_DC_Motor1.17 U_PS1_A.7 U_PS1_D.7 V_BAT.2
NetC3_1: C3.1 U_SER1.2
NetC4_2: C4.2 U_SER1.6
NetC_ACC_PF1_1: C_ACC_PF1.1 C_ACC_PF2.2 U1_LVR_3V3.2 U1_LVR_3V3.4 U_ACCL.1 U_ACCL.2 U_ACCL.13 U_ACCL.14
NetC_BYPASS_1: C_BYPASS.1 C_VDDR.1 C_VDDX2.2 C_VDX1.1 Cout_D.2 H1_BDM.6 L1_D.2 L_VDDA.1 R_BDM.1 R_DAC.1 R_ENC1_TX.2 R_ENC2_TX.2 R_IRQ.2 R_LCD_V.2 R_RESET.2 R_XIRQ.2 Rfb2_D.2 U3_DAC.6 U_CPU1.15 U_CPU1.29 U_CPU1.77 U_ENC_1.14 U_RES.2 U_SER1.16
NetC_ENA_DC1_2: C_ENA_DC1.2 R_ENA_DC1.1 U2_DC_Motor1.20
NetC_ENB_DC1_2: C_ENB_DC1.2 R_ENB_DC1.1 U2_DC_Motor1.11
NetC_ENC1_F_2: C_ENC1_F.2 H1_ENC1.4 R_ENC1_PWR.1 U_ENC_1.1
NetC_ENC2_F_2: C_ENC2_F.2 H2_ENC2.4 R_ENC2_PWR.1 U_ENC2.3
NetC_in_LVR_5VD_1: Cout_A.2 H4_ServoM.1 L1_A.2 R_ENC1_PWR.2 R_ENC2_PWR.2 Rfb2_A.2 U1_LVR_3V3.3 U1_Stepper_M.20
NetC_VCP_DC1_1: C_VCP_DC1.1 RVCP_DC1.2
NetC_VCP_DC1_2: C_VCP_DC1.2 U2_DC_Motor1.19
NetC_VDD1_2: C_VDD1.2 U_CPU1.49
NetC_VDD2_2: C_VDD2.2 U_CPU1.9
NetC_VR_PWR_1: C_VR_PWR.1 H2_VRH.1 U_CPU1.60
NetC_VR_PWR_2: C_VR_PWR.2 H3_VRL.2 U_CPU1.61
NetC_VRH1_1: C_VRH1.1 C_VRH2.2 H2_VRH.2 H_VDDA.1 L_VDDA.2 U_CPU1.59
NetC_Y1_2: C_Y1.2 R_Y1.2 U_CPU1.34 Y1.0
NetC_Y2_2: C_Y2.2 R_Y1.1 R_Y2.1 Y1.1
NetCBoot_DC1_1: CBoot_DC1.1 D2_DC1.K U2_DC_Motor1.12
NetCbst_A_1: Cbst_A.1 U_PS1_A.1
NetCbst_A_2: Cbst_A.2 D1_5V5A.1 L1_A.1 U_PS1_A.8
NetCbst_D_1: Cbst_D.1 U_PS1_D.1
NetCbst_D_2: Cbst_D.2 D1_5V5D.1 L1_D.1 U_PS1_D.8
NetCX1_1: CX1.1 CX2.1 CX3.2 CX4.2 H_PLL.2 U_CPU1.31
NetCX1_2: CX1.2 RX1.1
NetCX2_2: CX2.2 H_XCF.1 RX1.2 U_CPU1.32
NetD1_2V5_REF_2: R_Z_REF.1 U1_ACCL.3 U1_ACCL.5
NetD1_DC1_K: D1_DC1.K D2_DC1.A RVCP_DC1.1
NetD_Reset_A: D_Reset.A H1_BDM.4 R_RESET.1 SW1_RESET.3 SW1_RESET.4 U_CPU1.30
NetD_Reset_K: D_Reset.K U_RES.1
NetH1_BDM_1: H1_BDM.1 R_BDM.2
NetH1_ENC1_1: H1_ENC1.1 R_ENC1_TX.1
NetH2_ENC2_1: H2_ENC2.1 R_ENC2_TX.1
NetH4_LCDHeader_2: H4_LCDHeader.2 H4_LCDHeader.15 R1_LCD.1 R2_LCD.1 R3_LCD.1 R4_LCD.1 R_Cont.1 R_LCD_V.1
NetH4_LCDHeader_3: H4_LCDHeader.3 R_Cont.2
NetH4_LCDHeader_4: H4_LCDHeader.4 U_CPU1.46
NetH4_LCDHeader_5: H4_LCDHeader.5 U_CPU1.47
NetH4_LCDHeader_6: H4_LCDHeader.6 U_CPU1.45
NetH4_LCDHeader_7: H4_LCDHeader.7 R1_LCD.2
NetH4_LCDHeader_8: H4_LCDHeader.8 R2_LCD.2
NetH4_LCDHeader_9: H4_LCDHeader.9 R3_LCD.2
NetH4_LCDHeader_10: H4_LCDHeader.10 R4_LCD.2
NetH4_LCDHeader_11: H4_LCDHeader.11 U_CPU1.41
NetH4_LCDHeader_12: H4_LCDHeader.12 U_CPU1.42
NetH4_LCDHeader_13: H4_LCDHeader.13 U_CPU1.43
NetH4_LCDHeader_14: H4_LCDHeader.14 U_CPU1.44
NetH4_ServoM_2: H4_ServoM.2 R_S1.2 U_CPU1.7
NetH6_DAC_1: H6_DAC.1 U3_DAC.8
NetH6_DAC_2: H6_DAC.2 U3_DAC.5
NetH6_DAC_3: H6_DAC.3 U3_DAC.4
NetJ_DB9_2: J_DB9.2 U_SER1.14
NetJ_DB9_3: J_DB9.3 U_SER1.13
NetJ_DB9_4: J_DB9.4 J_DB9.6
NetJ_DB9_7: J_DB9.7 U_SER1.8
NetJ_DB9_8: J_DB9.8 U_SER1.7
NetPORT_E_1: PORT_E.1 R_XIRQ.1 U_CPU1.40
NetPORT_E_2: PORT_E.2 R_IRQ.1 U_CPU1.39
NetPORT_E_3: PORT_E.3 U_CPU1.38
NetPORT_E_4: PORT_E.4 U_CPU1.37
NetPORT_E_5: PORT_E.5 U_CPU1.27
NetR1_2: R1.2 U1_Stepper_M.2 U_CPU1.12
NetR1_ACCL_1: R1_ACCL.1 U_ACCL.11
NetR1_ACCL_2: R1_ACCL.2 R2_ACCL.1 U1_ACCL.2
NetR2_2: R2.2 U1_Stepper_M.9 U_CPU1.11
NetR2_ACCL_2: R2_ACCL.2 R_ACCL_OUT2.1 U1_ACCL.1
NetR3_2: R3.2 U1_Stepper_M.12 U_CPU1.14
NetR4_2: R4.2 U1_Stepper_M.19 U_CPU1.13
NetR5_2: R5.2 R6.2 U1_Stepper_M.1 U1_Stepper_M.11 U_CPU1.48
NetR_ACCL_OUT1_1: R_ACCL_OUT1.1 R_ACCL_OUT2.2 U1_ACCL.6
NetR_ACCL_OUT1_2: R_ACCL_OUT1.2 U1_ACCL.7
NetR_DAC_2: R_DAC.2 U3_DAC.1
NetR_ENA_DC1_2: R_ENA_DC1.2 U_CPU1.80
NetR_ENB_DC1_2: R_ENB_DC1.2 U_CPU1.79
NetR_Pierce_EN_2: R_Pierce_EN.2 U_CPU1.24
NetR_Y2_2: R_Y2.2 U_CPU1.35
NetR_Z_REF_2: R_Z_REF.2 U1_ACCL.4
NetRfb1_A_1: Rfb1_A.1 Rfb2_A.1 U_PS1_A.4
NetRfb1_D_1: Rfb1_D.1 Rfb2_D.1 U_PS1_D.4
NetU1_Stepper_M_3: U1_Stepper_M.3
NetU1_Stepper_M_8: U1_Stepper_M.8
NetU1_Stepper_M_13: U1_Stepper_M.13
NetU1_Stepper_M_18: U1_Stepper_M.18
NetU2_DC_Motor1_1: U2_DC_Motor1.1 U_CPU1.16
NetU2_DC_Motor1_2: U2_DC_Motor1.2 U_CPU1.18
NetU2_DC_Motor1_4: U2_DC_Motor1.4
NetU2_DC_Motor1_7: U2_DC_Motor1.7 U2_DC_Motor1.18
NetU2_DC_Motor1_9: U2_DC_Motor1.9 U_CPU1.17
NetU2_DC_Motor1_10: U2_DC_Motor1.10 U_CPU1.19
NetU2_DC_Motor1_13: U2_DC_Motor1.13
NetU3_DAC_2: U3_DAC.2
NetU3_DAC_3: U3_DAC.3
NetU_ACCL_3: U_ACCL.3
NetU_ACCL_4: U_ACCL.4
NetU_ACCL_6: U_ACCL.6
NetU_ACCL_12: U_ACCL.12
NetU_CPU1_5: U_CPU1.5 U_ENC_1.2
NetU_CPU1_6: U_CPU1.6 U_ENC2.4
NetU_CPU1_8: U_CPU1.8
NetU_CPU1_51: U_CPU1.51
NetU_CPU1_52: U_CPU1.52
NetU_CPU1_53: U_CPU1.53
NetU_CPU1_54: U_CPU1.54
NetU_CPU1_55: U_CPU1.55
NetU_CPU1_56: U_CPU1.56
NetU_CPU1_57: U_CPU1.57
NetU_CPU1_58: U_CPU1.58
NetU_CPU1_63: U_CPU1.63 U_SER1.11
NetU_CPU1_64: U_CPU1.64 U_SER1.12
NetU_CPU1_65: U_CPU1.65
NetU_CPU1_66: U_CPU1.66
NetU_CPU1_67: U_CPU1.67
NetU_CPU1_68: U_CPU1.68
NetU_CPU1_69: U_CPU1.69
NetU_CPU1_70: U_CPU1.70
NetU_CPU1_71: U_CPU1.71
NetU_CPU1_72: U_CPU1.72
NetU_CPU1_73: U_CPU1.73
NetU_CPU1_74: U_CPU1.74
NetU_CPU1_75: U_CPU1.75
NetU_CPU1_78: U_CPU1.78
NetU_PS1_A_5: U_PS1_A.5
NetU_PS1_D_5: U_PS1_D.5
NetU_SER1_9: U_SER1.9
NetU_SER1_10: U_SER1.10
pads on no net: H1_BDM.3 H1_BDM.5 H1_ENC1.2 H2_ENC2.2 J_DB9.1 J_DB9.9 J_DB9.10 J_DB9.11 U1_ACCL.8 U1_ACCL.9 U1_ACCL.10 U1_ACCL.12 U1_ACCL.13 U1_ACCL.14 U_ACCL.7 U_ACCL.8 U_ACCL.9 U_CPU1.1 U_CPU1.2 U_CPU1.3 U_CPU1.4 U_CPU1.20 U_CPU1.21 U_CPU1.22 U_CPU1.23 U_ENC2.1 U_ENC2.2 U_ENC2.5 U_ENC2.6 U_ENC2.7 U_ENC2.8 U_ENC2.9 U_ENC2.10 U_ENC2.11 U_ENC2.12 U_ENC2.13 U_ENC2.14 U_ENC_1.3 U_ENC_1.4 U_ENC_1.5 U_ENC_1.6 U_ENC_1.8 U_ENC_1.9 U_ENC_1.10 U_ENC_1.11 U_ENC_1.12 U_ENC_1.13 U_PS1_A.2 U_PS1_A.3 U_PS1_D.2 U_PS1_D.3
copper on no net:
  other v2: 5653.78,5120 8606.54,5120 5653.78,6340.47 8606.54,6340.47
  other v3: 1400,1500 6600,1500 1400,4500 6600,4500

## Polygon pours and split planes (outlines as drawn)
no net on Ground Plane (split plane): 6979.9,1020.1 1020.1,1020.1 1020.1,4979.9 6979.9,4979.9
no net on Power Plane (split plane): 6979.9,1020.1 1020.1,1020.1 1020.1,4979.9 6979.9,4979.9

## Text inside footprints (layer, text, board x,y; h text height)
H1_BDM: Top Overlay "6" at 2962,3260.19 h50 r90; Top Overlay "5" at 3062,3260.19 h50 r90; Top Overlay "2" at 2962,2900.19 h50 r90; Top Overlay "1" at 3062,2920.19 h50 r90
J_DB9: Top Overlay "1" at 2572.09,1472.36 h59.06 r180; Top Overlay "5" at 2145.71,1472.36 h59.06 r180; Top Overlay "9" at 2200.24,1102.28 h59.06 r180; Top Overlay "6" at 2527.4,1102.28 h59.06 r180
U_CPU1: Top Overlay "61" at 3678.17,3131.6 h37.5 r270; Top Overlay "41" at 4161.6,3159.43 h37.5 r180; Top Overlay "21" at 4189.43,2676.02 h37.5 r90; Top Overlay "1" at 3682.42,2648.18 h37.5; Mechanical 1 "61" at 3678.17,3131.6 h37.5 r270; Mechanical 1 "41" at 4161.6,3159.43 h37.5 r180; Mechanical 1 "21" at 4189.43,2676.02 h37.5 r90; Mechanical 1 "1" at 3682.42,2648.18 h37.5